# Altium PCB T4F81.PcbDoc (part 1 of 2) (continued)
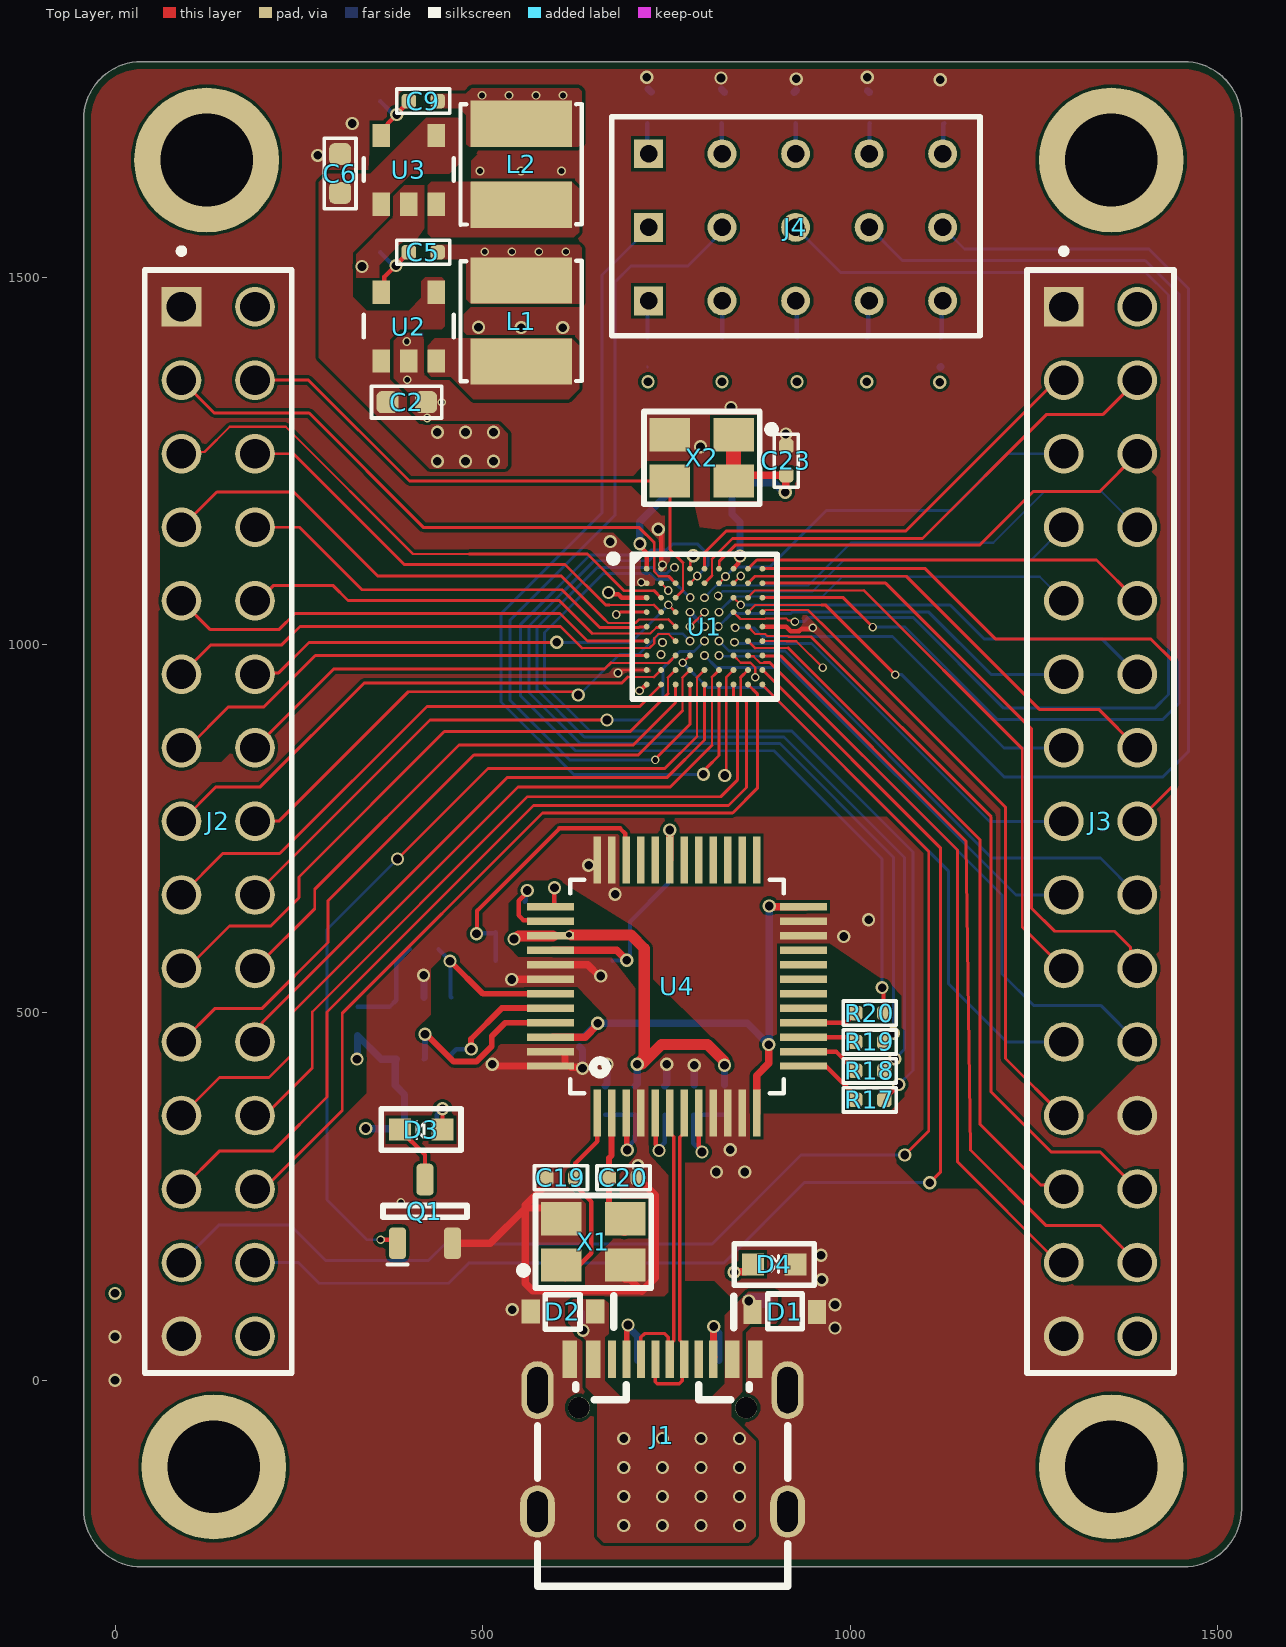
[diagram p0: Top Layer view]
## Footprints (in the part's own frame and the unit in brackets; to place one, negate y for a bottom-side part, rotate by r counter-clockwise, add the part's x,y. Pads: shape width x height; smd on the part's side, far side on the other; paste and mask are expansions set on the pad)
CAPC0402 [mm]
  rrect50% 0.5x0.5 smd: 1(-0.5,0) 2(0.5,0)
  silkscreen extent -0.92,-0.42 0.92,0.42, body extent -0.5,-0.25 0.5,0.25, height 0.42
CAPC0603 [mil]
  rrect50% 30x30 smd: 1(-26.26,0) 2(26.26,0)
  silkscreen extent -48,-22 48,22, body extent -31,-16 32,16, height 34
Crystal_3225 [mm] "3225 pack"
  rect 1.4x1.15 smd: 1(-1.1,-0.8) 2(1.1,-0.8) 3(1.1,0.8) 4(-1.1,0.8)
  silkscreen extent -2.54,-1.6 2,1.6, body extent -1.6,-1.23 1.6,1.27, height 0.6
"HEADER_5X3_2.54 - duplicate" [mm] "2.54mm Pitch"
  rect 1x1 hole 0.6: 1(-5.08,0) 6(-5.08,2.54) 11(-5.08,5.08)
  round 1 hole 0.6: 2(-2.54,0) 3(0,0) 4(2.54,0) 5(5.08,0) 7(-2.54,2.54) 8(0,2.54) 9(2.54,2.54) 10(5.08,2.54) 12(-2.54,5.08) 13(0,5.08) 14(2.54,5.08) 15(5.08,5.08)
  silkscreen extent -6.35,-1.21 6.37,6.36, body extent -6.35,-1.27 6.32,6.35, height 8
Header_15X2_2.54 [mm]
  rect 1.37x1.37 hole 1.02: 01(0,0)
  round 1.37 hole 1.02: 02(0,2.54) 03(2.54,0) 04(2.54,2.54) 05(5.08,0) 06(5.08,2.54) 07(7.62,0) 08(7.62,2.54) 09(10.16,0) 10(10.16,2.54) 11(12.7,0) 12(12.7,2.54) 13(15.24,0) 14(15.24,2.54) 15(17.78,0) 16(17.78,2.54) 17(20.32,0) 18(20.32,2.54) 19(22.86,0) 20(22.86,2.54) 21(25.4,0) 22(25.4,2.54) 23(27.94,0) 24(27.94,2.54) 25(30.48,0) 26(30.48,2.54) 27(33.02,0) 28(33.02,2.54) 29(35.56,0) 30(35.56,2.54)
  silkscreen extent -2.02,-1.27 36.83,3.81, body extent -1.27,-1.25 36.83,3.83, height 9.5
IND_4.0X4.0X2.0 [mm]
  rect 1.6x3.5 smd: 1(-1.4,0) 2(1.4,0)
  silkscreen extent -2.08,-2.1 2.08,2.1, body extent -2,-2 2,2, height 1.8
led_0603 [mil]
  rect 30x30 smd: A(-29.02,0) K(29.02,0)
  silkscreen extent -54,-28 54,28, body extent -32,-14 32,14, height 25
LQFP-48 [mil]
  rect 64x10 smd: 1(-172,108.27) 2(-172,88.58) 3(-172,68.9) 4(-172,49.21) 5(-172,29.53) 6(-172,9.84) 7(-172,-9.84) 8(-172,-29.53) 9(-172,-49.21) 10(-172,-68.9) 11(-172,-88.58) 12(-172,-108.27) 25(172,-108.27) 26(172,-88.58) 27(172,-68.9) 28(172,-49.21) 29(172,-29.53) 30(172,-9.84) 31(172,9.84) 32(172,29.53) 33(172,49.21) 34(172,68.9) 35(172,88.58) 36(172,108.27)
  rect 10x64 smd: 13(-108.27,-172) 14(-88.58,-172) 15(-68.9,-172) 16(-49.21,-172) 17(-29.53,-172) 18(-9.84,-172) 19(9.84,-172) 20(29.53,-172) 21(49.21,-172) 22(68.9,-172) 23(88.58,-172) 24(108.27,-172) 37(108.27,172) 38(88.58,172) 39(68.9,172) 40(49.21,172) 41(29.53,172) 42(9.84,172) 43(-9.84,172) 44(-29.53,172) 45(-49.21,172) 46(-68.9,172) 47(-88.58,172) 48(-108.27,172)
  silkscreen extent -145,-145 145,145, body extent -182,-182 182,182, height 60
resc0402 [mm]
  rrect50% 0.5x0.5 smd: 1(-0.5,0) 2(0.5,0)
  silkscreen extent -0.92,-0.42 0.91,0.42, body extent -0.5,-0.25 0.5,0.25, height 0.4
RESC0402 [mm]
  rrect50% 0.5x0.5 smd: 1(-0.5,0) 2(0.5,0)
  silkscreen extent -0.92,-0.42 0.91,0.42, body extent -0.5,-0.25 0.5,0.25, height 0.4
RESC0603 [mm]
  rrect50% 0.81x0.9 smd: 1(-0.695,0) 2(0.695,0)
  silkscreen extent -1.27,-0.62 1.27,0.62, body extent -0.8,-0.4 0.8,0.4, height 0.45
sod-323 [mm]
  rect 0.63x0.83 smd: 1(-1.115,0) 2(1.115,0)
  silkscreen extent -0.61,-0.61 1.75,0.58, body extent -1.25,-0.62 1.25,0.63, height 0.9
SOT23-3 [mm]
  rrect50% 0.6x1.1 smd: 1(-0.95,-1.125) 2(0.95,-1.125) 3(0,1.075)
  silkscreen extent -1.45,-1.86 1.45,0.17, body extent -1.5,-1.44 1.5,1.39, height 1.19
SOT23-5 [mm]
  rect 0.8x0.6 smd: 1(-1.25,1.026) 2(-1.25,0.076) 3(-1.25,-0.874) 4(1.123,-0.872) 5(1.123,1.028)
  silkscreen extent -0.44,-1.47 0.34,1.63, body extent -1.48,-1.42 1.37,1.58, height 1.3
SOT23-6 [mil]
  rect 46x20 smd paste+0 mask+0: 1(-42,37.4) 2(-42,0) 3(-42,-37.4) 4(42,-37.4) 5(42,0) 6(42,37.4)
  silkscreen extent -85,-65 40,65, body extent -59,-60 59,60, height 57
"T4F81 FPGA" [mm] "BGA, 81-Leads, Body 5.00x5.00mmx0.83mm, Pitch 0.50mm"
  round 0.2 smd: A1(-2,2) A2(-1.5,2) A3(-1,2) A4(-0.5,2) A5(0,2) A6(0.5,2) A7(1,2) A8(1.5,2) A9(2,2) B1(-2,1.5) B2(-1.5,1.5) B3(-1,1.5) B4(-0.5,1.5) B5(0,1.5) B6(0.5,1.5) B7(1,1.5) B8(1.5,1.5) B9(2,1.5) C1(-2,1) C2(-1.5,1) C3(-1,1) C4(-0.5,1) C5(0,1) C6(0.5,1) C7(1,1) C8(1.5,1) C9(2,1) D1(-2,0.5) D2(-1.5,0.5) D3(-1,0.5) D4(-0.5,0.5) D5(0,0.5) D6(0.5,0.5) D7(1,0.5) D8(1.5,0.5) D9(2,0.5) E1(-2,0) E2(-1.5,0) E3(-1,0) E4(-0.5,0) E5(0,0) E6(0.5,0) E7(1,0) E8(1.5,0) E9(2,0) F1(-2,-0.5) F2(-1.5,-0.5) F3(-1,-0.5) F4(-0.5,-0.5) F5(0,-0.5) F6(0.5,-0.5) F7(1,-0.5) F8(1.5,-0.5) F9(2,-0.5) G1(-2,-1) G2(-1.5,-1) G3(-1,-1) G4(-0.5,-1) G5(0,-1) G6(0.5,-1) G7(1,-1) G8(1.5,-1) G9(2,-1) H1(-2,-1.5) H2(-1.5,-1.5) H3(-1,-1.5) H4(-0.5,-1.5) H5(0,-1.5) H6(0.5,-1.5) H7(1,-1.5) H8(1.5,-1.5) H9(2,-1.5) J1(-2,-2) J2(-1.5,-2) J3(-1,-2) J4(-0.5,-2) J5(0,-2) J6(0.5,-2) J7(1,-2) J8(1.5,-2) J9(2,-2)
  silkscreen extent -3.27,-2.5 2.5,2.5, body extent -2.5,-2.5 2.5,2.5, height 0.83
TYPE-C [mm]
  rect 0.5x1.3 smd: A1(-3.2,2.633) A4(-2.4,2.633) A9(2.4,2.633) A12(3.2,2.633)
  rect 0.28x1.3 smd: A5(-1.25,2.633) A6(-0.25,2.633) A7(0.25,2.633) A8(1.25,2.634) B5(1.75,2.633) B6(0.75,2.633) B7(-0.75,2.633) B8(-1.75,2.634)
  oval 1.1x2 hole 0.7 slot 1.6 at 90 deg: S1(-4.32,1.566) S4(4.32,1.566)
  oval 1.2x1.8 hole 0.7 slot 1.4 at 90 deg: S2(-4.32,-2.634) S3(4.32,-2.634)
  round 0.75 hole 0.75 unplated: ""(-2.89,0.956) ""(2.89,0.956)
  silkscreen extent -4.32,-5.22 4.32,1.75, body extent -4.48,-5.21 4.47,2.69, height 3.16

## Part data
C1: "Ceramic Capacitor, 10uF, 0603,10V", Case/Package=0603
C2 C3 C4 C6 C7 C8 C21 C22 C24 C25: library part Cap, "CAP CER 22uF 10V X7R 0603", Case/Package=0603, Dielectric=X7R, Manufacturer Part Number=CC0603KRX7R6BB226, Voltage=10V, Type=Capacitor, Vicharak-PN=V001478
C5 C9 C19 C20: library part Capacitor, "Ceramic Capacitor, 22pF, 0402,50V", Case/Package=0402, Voltage=50V
C10 C11 C12 C13: library part Capacitor, "Ceramic Capacitor, 0.1uF, 0402,10V", Case/Package=0402, Voltage=10V
C14: library part Capacitor, "Ceramic Capacitor, 10nF, 0402,10V", Case/Package=0402, Voltage=10V
C15: library part Capacitor, "Ceramic Capacitor, 4.7uF, 0402,10V", Case/Package=0402, Voltage=10V
C16 C17 C18: library part Capacitor, "Ceramic Capacitor, 0.1UF, 0402,10V", Case/Package=0402, Voltage=10V
C23: library part Capacitor, "Ceramic Capacitor, 15pF, 0402,50V", Case/Package=0402, Voltage=50V
D1 D2: "Schottky Barrier£¬B5819WS SOD-323", Case/Package=SOD-323, Manufacturer Part Number=B5819WS, Vicharak-PN=V000203
D3: library part LED1, "GREEN LED, 0603", Case/Package=0603, Manufacturer Part Number=GREEN
D4: library part LED1, "RED LED 0603", Case/Package=0603, Manufacturer Part Number=GREEN
J1: Case/Package=SMD, Manufacturer Part Number=C167321, Type="TYPE -C  CONNECTOR"
J2 J3: "Connector Header position", Case/Package=TH, Manufacturer Part Number="Th P2.54MM"
J4: "HEADER 5X3 2.54MM"
L1 L2: "2.2uH, 48mOhm, 4.35A, 6.12A, ±20%, SMD,4x4x2mm, Power Inductor (MWPY4020L-2R2M-T) (C2934996)", Manufacturer Part Number=MWPY4020L-2R2M-T, Package=SMD,4x4mm, Type=INDUCTOR, Vicharak-PN=V001341
Q1: library part "MOSFET Si2302CDS", "N-Channel 20V 3A 1.25W (Ta) Surface Mount SOT-23", Case/Package=SOT-23, Manufacturer Part Number=SI2302-TP
R1 R2: "Thick Film Resistor -  4.7Kohm, 1%, 0603", Case/Package=0603
R3: "Thick Film Resistor -  9Kohm, 1%, 0402", Case/Package=0402, Tolerance=1%, Type=Resistor, Vicharak-PN=V000698
R4: "Thick Film Resistor -  2Kohm, 1%, 0402", Case/Package=0402, Tolerance=1%, Type=Resistor, Vicharak-PN=V000698
R5: "Thick Film Resistor -  1.2kohm, 1%, 0402", Case/Package=0402, Tolerance=1%, Type=Resistor, Vicharak-PN=V000360
R6: "Thick Film Resistor -  1Kohm, 1%, 0402", Case/Package=0402, Manufacturer Part Number=0402WGF1001TCE, Tolerance=1%, Type=Resistor, Vicharak-PN=V000698
R7 R17 R18 R19 R20: "Thick Film Resistor -  0ohm, 1%, 0402", Case/Package=0402, Manufacturer Part Number=RC0402FR-070RL, ComponentLink1Description=http://uk.rs-online.com/webdocs/0d98/0900766b80d98824.pdf?src-supplier=RSComponents, ComponentLink1URL=http://uk.rs-online.com/webdocs/0d98/0900766b80d98824.pdf?src-supplier=RSComponents, ComponentLink2Description=http://www.vishay.com/docs/20035/dcrcwe3.pdf?src-supplier=Digi-Key, ComponentLink2URL=http://www.vishay.com/docs/20035/dcrcwe3.pdf?src-supplier=Digi-Key, ComponentLink3Description=http://www.farnell.com/datasheets/2045673.pdf?src-supplier=Element14, ComponentLink3URL=http://www.farnell.com/datasheets/2045673.pdf?src-supplier=Element14, ComponentLink4Description=http://www.vishay.com/docs/20035/dcrcwe3.pdf?src-supplier=Avnet, ComponentLink4URL=http://www.vishay.com/docs/20035/dcrcwe3.pdf?src-supplier=Avnet, ComponentLink5Description=https://www.distrelec.biz/Web/Downloads/a_/en/flD-CRCW-e3_data_en.pdf?mime=application%2Fpdf&src-supplier=Distrelec, ComponentLink5URL=https://www.distrelec.biz/Web/Downloads/a_/en/flD-CRCW-e3_data_en.pdf?mime=application%2Fpdf&src-supplier=Distrelec, ComponentLink6Description=http://www.vishay.com/docs/20035/dcrcwe3.pdf?src-supplier=Mouser, ComponentLink6URL=http://www.vishay.com/docs/20035/dcrcwe3.pdf?src-supplier=Mouser, ComponentLink7Description=http://www.farnell.com/datasheets/2111203.pdf?src-supplier=Element14, ComponentLink7URL=http://www.farnell.com/datasheets/2111203.pdf?src-supplier=Element14, ComponentLink8Description=http://www.vishay.com/docs/20035/dcrcwe3.pdf?src-supplier=Future+Electronics, ComponentLink8URL=http://www.vishay.com/docs/20035/dcrcwe3.pdf?src-supplier=Future+Electronics, ComponentLink9Description=https://www.te.com/commerce/DocumentDelivery/DDEController?Action=srchrtrv&amp;DocNm=1773204-3&amp;DocType=DS&amp;DocLang=English&src-supplier=Digi-Key, ComponentLink9URL=https://www.te.com/commerce/DocumentDelivery/DDEController?Action=srchrtrv&amp;DocNm=1773204-3&amp;DocType=DS&amp;DocLang=English&src-supplier=Digi-Key, ComponentLink10Description=https://4donline.ihs.com/images/VipMasterIC/IC/TYEL/TYEL-S-A0004929575/TYEL-S-A0004929575-1.pdf?hkey=52A5661711E402568146F3353EA87419&src-supplier=Farnell, ComponentLink10URL=https://4donline.ihs.com/images/VipMasterIC/IC/TYEL/TYEL-S-A0004929575/TYEL-S-A0004929575-1.pdf?hkey=52A5661711E402568146F3353EA87419&src-supplier=Farnell, ComponentLink11Description=https://4donline.ihs.com/images/VipMasterIC/IC/TYEL/TYEL-S-A0004929575/TYEL-S-A0004929575-1.pdf?hkey=52A5661711E402568146F3353EA87419&src-supplier=Newark, ComponentLink11URL=https://4donline.ihs.com/images/VipMasterIC/IC/TYEL/TYEL-S-A0004929575/TYEL-S-A0004929575-1.pdf?hkey=52A5661711E402568146F3353EA87419&src-supplier=Newark
R8: "Thick Film Resistor -  0ohm, 1%, 0402", Case/Package=0402, ComponentLink1Description=http://uk.rs-online.com/webdocs/0d98/0900766b80d98824.pdf?src-supplier=RSComponents, ComponentLink1URL=http://uk.rs-online.com/webdocs/0d98/0900766b80d98824.pdf?src-supplier=RSComponents, ComponentLink2Description=http://www.vishay.com/docs/20035/dcrcwe3.pdf?src-supplier=Digi-Key, ComponentLink2URL=http://www.vishay.com/docs/20035/dcrcwe3.pdf?src-supplier=Digi-Key, ComponentLink3Description=http://www.farnell.com/datasheets/2045673.pdf?src-supplier=Element14, ComponentLink3URL=http://www.farnell.com/datasheets/2045673.pdf?src-supplier=Element14, ComponentLink4Description=http://www.vishay.com/docs/20035/dcrcwe3.pdf?src-supplier=Avnet, ComponentLink4URL=http://www.vishay.com/docs/20035/dcrcwe3.pdf?src-supplier=Avnet, ComponentLink5Description=https://www.distrelec.biz/Web/Downloads/a_/en/flD-CRCW-e3_data_en.pdf?mime=application%2Fpdf&src-supplier=Distrelec, ComponentLink5URL=https://www.distrelec.biz/Web/Downloads/a_/en/flD-CRCW-e3_data_en.pdf?mime=application%2Fpdf&src-supplier=Distrelec, ComponentLink6Description=http://www.vishay.com/docs/20035/dcrcwe3.pdf?src-supplier=Mouser, ComponentLink6URL=http://www.vishay.com/docs/20035/dcrcwe3.pdf?src-supplier=Mouser, ComponentLink7Description=http://www.farnell.com/datasheets/2111203.pdf?src-supplier=Element14, ComponentLink7URL=http://www.farnell.com/datasheets/2111203.pdf?src-supplier=Element14, ComponentLink8Description=http://www.vishay.com/docs/20035/dcrcwe3.pdf?src-supplier=Future+Electronics, ComponentLink8URL=http://www.vishay.com/docs/20035/dcrcwe3.pdf?src-supplier=Future+Electronics, ComponentLink9Description=https://www.te.com/commerce/DocumentDelivery/DDEController?Action=srchrtrv&amp;DocNm=1773204-3&amp;DocType=DS&amp;DocLang=English&src-supplier=Digi-Key, ComponentLink9URL=https://www.te.com/commerce/DocumentDelivery/DDEController?Action=srchrtrv&amp;DocNm=1773204-3&amp;DocType=DS&amp;DocLang=English&src-supplier=Digi-Key, ComponentLink10Description=https://4donline.ihs.com/images/VipMasterIC/IC/TYEL/TYEL-S-A0004929575/TYEL-S-A0004929575-1.pdf?hkey=52A5661711E402568146F3353EA87419&src-supplier=Farnell, ComponentLink10URL=https://4donline.ihs.com/images/VipMasterIC/IC/TYEL/TYEL-S-A0004929575/TYEL-S-A0004929575-1.pdf?hkey=52A5661711E402568146F3353EA87419&src-supplier=Farnell, ComponentLink11Description=https://4donline.ihs.com/images/VipMasterIC/IC/TYEL/TYEL-S-A0004929575/TYEL-S-A0004929575-1.pdf?hkey=52A5661711E402568146F3353EA87419&src-supplier=Newark, ComponentLink11URL=https://4donline.ihs.com/images/VipMasterIC/IC/TYEL/TYEL-S-A0004929575/TYEL-S-A0004929575-1.pdf?hkey=52A5661711E402568146F3353EA87419&src-supplier=Newark
R9 R13: "Thick Film Resistor -  10Kohm, 1%, 0402", Case/Package=0402
  R9: ComponentLink1Description=http://uk.rs-online.com/webdocs/0d98/0900766b80d98824.pdf?src-supplier=RSComponents, ComponentLink1URL=http://uk.rs-online.com/webdocs/0d98/0900766b80d98824.pdf?src-supplier=RSComponents, ComponentLink2Description=http://www.vishay.com/docs/20035/dcrcwe3.pdf?src-supplier=Digi-Key, ComponentLink2URL=http://www.vishay.com/docs/20035/dcrcwe3.pdf?src-supplier=Digi-Key, ComponentLink3Description=http://www.farnell.com/datasheets/2045673.pdf?src-supplier=Element14, ComponentLink3URL=http://www.farnell.com/datasheets/2045673.pdf?src-supplier=Element14, ComponentLink4Description=http://www.vishay.com/docs/20035/dcrcwe3.pdf?src-supplier=Avnet, ComponentLink4URL=http://www.vishay.com/docs/20035/dcrcwe3.pdf?src-supplier=Avnet, ComponentLink5Description=https://www.distrelec.biz/Web/Downloads/a_/en/flD-CRCW-e3_data_en.pdf?mime=application%2Fpdf&src-supplier=Distrelec, ComponentLink5URL=https://www.distrelec.biz/Web/Downloads/a_/en/flD-CRCW-e3_data_en.pdf?mime=application%2Fpdf&src-supplier=Distrelec, ComponentLink6Description=http://www.vishay.com/docs/20035/dcrcwe3.pdf?src-supplier=Mouser, ComponentLink6URL=http://www.vishay.com/docs/20035/dcrcwe3.pdf?src-supplier=Mouser, ComponentLink7Description=http://www.farnell.com/datasheets/2111203.pdf?src-supplier=Element14, ComponentLink7URL=http://www.farnell.com/datasheets/2111203.pdf?src-supplier=Element14, ComponentLink8Description=http://www.vishay.com/docs/20035/dcrcwe3.pdf?src-supplier=Future+Electronics, ComponentLink8URL=http://www.vishay.com/docs/20035/dcrcwe3.pdf?src-supplier=Future+Electronics, ComponentLink9Description=https://www.te.com/commerce/DocumentDelivery/DDEController?Action=srchrtrv&amp;DocNm=1773204-3&amp;DocType=DS&amp;DocLang=English&src-supplier=Digi-Key, ComponentLink9URL=https://www.te.com/commerce/DocumentDelivery/DDEController?Action=srchrtrv&amp;DocNm=1773204-3&amp;DocType=DS&amp;DocLang=English&src-supplier=Digi-Key, ComponentLink10Description=https://4donline.ihs.com/images/VipMasterIC/IC/TYEL/TYEL-S-A0004929575/TYEL-S-A0004929575-1.pdf?hkey=52A5661711E402568146F3353EA87419&src-supplier=Farnell, ComponentLink10URL=https://4donline.ihs.com/images/VipMasterIC/IC/TYEL/TYEL-S-A0004929575/TYEL-S-A0004929575-1.pdf?hkey=52A5661711E402568146F3353EA87419&src-supplier=Farnell, ComponentLink11Description=https://4donline.ihs.com/images/VipMasterIC/IC/TYEL/TYEL-S-A0004929575/TYEL-S-A0004929575-1.pdf?hkey=52A5661711E402568146F3353EA87419&src-supplier=Newark, ComponentLink11URL=https://4donline.ihs.com/images/VipMasterIC/IC/TYEL/TYEL-S-A0004929575/TYEL-S-A0004929575-1.pdf?hkey=52A5661711E402568146F3353EA87419&src-supplier=Newark
R10: "Thick Film Resistor -  12Kohm, 1%, 0402", Case/Package=0402, ComponentLink1Description=http://uk.rs-online.com/webdocs/0d98/0900766b80d98824.pdf?src-supplier=RSComponents, ComponentLink1URL=http://uk.rs-online.com/webdocs/0d98/0900766b80d98824.pdf?src-supplier=RSComponents, ComponentLink2Description=http://www.vishay.com/docs/20035/dcrcwe3.pdf?src-supplier=Digi-Key, ComponentLink2URL=http://www.vishay.com/docs/20035/dcrcwe3.pdf?src-supplier=Digi-Key, ComponentLink3Description=http://www.farnell.com/datasheets/2045673.pdf?src-supplier=Element14, ComponentLink3URL=http://www.farnell.com/datasheets/2045673.pdf?src-supplier=Element14, ComponentLink4Description=http://www.vishay.com/docs/20035/dcrcwe3.pdf?src-supplier=Avnet, ComponentLink4URL=http://www.vishay.com/docs/20035/dcrcwe3.pdf?src-supplier=Avnet, ComponentLink5Description=https://www.distrelec.biz/Web/Downloads/a_/en/flD-CRCW-e3_data_en.pdf?mime=application%2Fpdf&src-supplier=Distrelec, ComponentLink5URL=https://www.distrelec.biz/Web/Downloads/a_/en/flD-CRCW-e3_data_en.pdf?mime=application%2Fpdf&src-supplier=Distrelec, ComponentLink6Description=http://www.vishay.com/docs/20035/dcrcwe3.pdf?src-supplier=Mouser, ComponentLink6URL=http://www.vishay.com/docs/20035/dcrcwe3.pdf?src-supplier=Mouser, ComponentLink7Description=http://www.farnell.com/datasheets/2111203.pdf?src-supplier=Element14, ComponentLink7URL=http://www.farnell.com/datasheets/2111203.pdf?src-supplier=Element14, ComponentLink8Description=http://www.vishay.com/docs/20035/dcrcwe3.pdf?src-supplier=Future+Electronics, ComponentLink8URL=http://www.vishay.com/docs/20035/dcrcwe3.pdf?src-supplier=Future+Electronics, ComponentLink9Description=https://www.te.com/commerce/DocumentDelivery/DDEController?Action=srchrtrv&amp;DocNm=1773204-3&amp;DocType=DS&amp;DocLang=English&src-supplier=Digi-Key, ComponentLink9URL=https://www.te.com/commerce/DocumentDelivery/DDEController?Action=srchrtrv&amp;DocNm=1773204-3&amp;DocType=DS&amp;DocLang=English&src-supplier=Digi-Key, ComponentLink10Description=https://4donline.ihs.com/images/VipMasterIC/IC/TYEL/TYEL-S-A0004929575/TYEL-S-A0004929575-1.pdf?hkey=52A5661711E402568146F3353EA87419&src-supplier=Farnell, ComponentLink10URL=https://4donline.ihs.com/images/VipMasterIC/IC/TYEL/TYEL-S-A0004929575/TYEL-S-A0004929575-1.pdf?hkey=52A5661711E402568146F3353EA87419&src-supplier=Farnell, ComponentLink11Description=https://4donline.ihs.com/images/VipMasterIC/IC/TYEL/TYEL-S-A0004929575/TYEL-S-A0004929575-1.pdf?hkey=52A5661711E402568146F3353EA87419&src-supplier=Newark, ComponentLink11URL=https://4donline.ihs.com/images/VipMasterIC/IC/TYEL/TYEL-S-A0004929575/TYEL-S-A0004929575-1.pdf?hkey=52A5661711E402568146F3353EA87419&src-supplier=Newark
R11: "Thick Film Resistor -  39Kohm, 1%, 0402", Case/Package=0402
R12 R14: "Thick Film Resistor -  2Kohm, 1%, 0402", Case/Package=0402
R15: library part Res, "Thick Film Resistor -  240ohm, 1%, 0402", Case/Package=0402
R16: library part Res, "Thick Film Resistor -  1Kohm, 1%, 0402", Case/Package=0402
R21 R22 R23 R24 R25 R26 R27 R28 R29 R30: "Thick Film Resistor -  1Kohm, 1%, 0402", Case/Package=0402
U2: "Buck Switching Regulator IC Positive Adjustable 0.6V 1 Output 2A SOT-23-5 Thin, TSOT-23-5", Manufacturer Part Number=AP3429AKTTR-G1, Package=SOT-23-5, Type=IC, Vicharak-PN=V001301
U3: "Buck Switching Regulator IC Positive Adjustable 0.6V 1 Output 2A SOT-23-5 Thin, TSOT-23-5", Package=SOT-23-5, Type=IC, Vicharak-PN=V001301
U4: library part FT232HL, "FT232HL, 1.62V~1.98V,  2.97V~3.63V, 24mA, 48Pin, 48-LQFP, USB Bridge, USB to UART, FIFO, Controller", Case/Package=LQFP-48_7x7x05P, Manufacturer Part Number=FT232HL-REEL, Type=IC, Vicharak-PN=V001843
U5: "MICROCHIP - 93LC56BT-I/OT. - 2K, 128 X 16, SERIAL EE, IND ROHS COMPLIANT: YES", Case/Package=SOT-23-6, ComponentLink1Description=https://datasheet.ciiva.com/48496/jp013939-48496476.pdf?src-supplier=Avnet, ComponentLink1URL=https://datasheet.ciiva.com/48496/jp013939-48496476.pdf?src-supplier=Avnet, ComponentLink2Description=https://datasheet.ciiva.com/16216/filehandler-aspxddocname-en013939-16216574.pdf?src-supplier=Future+Electronics, ComponentLink2URL=https://datasheet.ciiva.com/16216/filehandler-aspxddocname-en013939-16216574.pdf?src-supplier=Future+Electronics, ComponentLink3Description=https://datasheet.ciiva.com/3185/jp013939-3185519.pdf?src-supplier=Avnet, ComponentLink3URL=https://datasheet.ciiva.com/3185/jp013939-3185519.pdf?src-supplier=Avnet, ComponentLink4Description=https://datasheet.ciiva.com/16622/jp013939-16622127.pdf?src-supplier=Avnet+Europe, ComponentLink4URL=https://datasheet.ciiva.com/16622/jp013939-16622127.pdf?src-supplier=Avnet+Europe, Manufacturer Part Number=93LC56BT-I/OT, Type=EEPROM, Vicharak-PN=V001522
X1: library part CRYSTAL_1_1, "CRYSTAL 12.0000MHZ 10PF SMD", Case/Package=SMD-3225, Frequency=12MHz, Manufacturer Part Number=ECS-120-10-33B-CKM-TR
X2: "1.8V~3.3V -40℃~+85℃ ±10ppm 50MHz SMD3225-4P Oscillators ROHS (OT322550MJBA4SL) (C717684)", Case/Package=SMD3225, Frequency=50MHz, Manufacturer Part Number=OT322550MJBA4SL, Vicharak-PN=V000176
U1: Manufacturer_Part_Number=T4F81

## Free pads (board coordinates)
  round 196.85 hole 125.98: 2(124.52,1659.49) 2(134.36,-117.89) 2(1354.83,-117.89) 2(1354.83,1659.49)

## Via types
v1: diameter 17.99, hole 11.81, Top Layer to Bottom Layer, tented both sides, 57 vias
v2: diameter 17.99, hole 11.81, Top Layer to Bottom Layer, 54 vias
v3: diameter 11.81, hole 7.87, Top Layer to Bottom Layer, tented both sides, 38 vias
v4: diameter 11.81, hole 7.87, Top Layer to Bottom Layer, 18 vias

## Nets (pads, with @x,y where several pads share a name; then routed paths per layer and width w, separated by ;. In a path a pad name is that pad's centre, name@x,y a point inside that pad or via, vN(x,y) a via of type N, cw(c..) or ccw(c..) an arc to the next point about the centre after c; other vN are vias at no path point)
1V1: C7.2 C8.2 C9.2 C21.2 C24.2 L2.2 R5.1 U1.A1 U1.C1 U1.D4 U1.E5 U1.F2 U1.F9 | length 324.8
  Top Layer w3: U1.F2@742.64,1005.26 v3(744.61,1003.29) ; U1.F9@880.44,1005.26 913.22,1005.26 913.45,1005.03 926.5,1005.03 v3(962.34,969.2)
  Top Layer w6: v1(671.2,1071.44) 673.5,1069.15 684.21,1069.15 689.04,1064.32 U1.C1@722.96,1064.32 ; v1(713.78,1137.5) 713.78,1134.25 722.96,1125.08 U1.A1@722.96,1103.69
  Bottom Layer w6: v3(782.01,1044.63) v3(801.7,1024.95)
  Bottom Layer w10: v1(713.78,1137.5) 713.78,1167.49 C24.2@766.83,1220.54
  other v4: 498.97,1747.43 535.72,1747.43 572.46,1747.43 609.21,1747.43
3V3: C3.2 C4.2 C5.2 C22.2 C23.2 C25.2 J2.02 J2.30 J3.02 J3.30 L1.2 R3.1 R13.1 R15.2 R21.2 R22.2 R23.2 R24.2 R25.2 U1.A7 U1.B2 U1.H7 U1.J1 U5.6 X2.1 X2.4 | length 791.9
  Top Layer w3: U1.B2@742.64,1083.96 v3@752.47,1074.13
  Top Layer w3.8: v1(829.06,822.57) 831.22,824.73 831.22,950.28 831.12,950.38 831.12,955.94 U1.H7@840.98,965.81
  Top Layer w6: v3(713.2,937.58) 713.82,937.58 722.45,946.21 U1.J1@722.96,946.21 ; U1.A7@841.07,1103.69 841.07,1104.19 847.68,1110.8 847.68,1118.66 v1(849.97,1120.96)
  Top Layer w10: X2.4@841.22,1222.94 849.22,1230.93 C23.2@912.92,1230.93 912.23,1230.24 912.23,1208.27 v1(911.53,1207.58)
  Top Layer w20: X2.4@841.22,1222.94 X2.1@841.22,1285.93
  Bottom Layer w10: v1@329.7,436.42 329.7,468.78 362.03,436.48 U5.6@382.31,436.48 380.86,435.03 380.86,400.97 393.72,388.11 R15.2@393.72,342.28 393.54,342.1 v1@341.67,342.1 ; v1(849.97,1120.96) 849.97,1166.82 839.02,1177.77 C25.2@839.02,1220.54 896.41,1220.54 909.37,1207.58 v1(911.53,1207.58) ; R25.2@1122.23,1377.71 R25.2@1122.79,1378.27
  other v1: 341.05,342.43 329.06,436.74 1121.66,1357.26 724.73,1357.82 825.52,1357.82 927.52,1357.82 1022.22,1357.82
  other v3: 752.47,1074.09
  other v4: 502.91,1534.83 539.65,1534.83 576.4,1534.83 613.15,1534.83
CDONE: Q1.1 R16.1 U1.H5 | length 1222
  Top Layer w3: 791.45,875.65 791.45,955.64
  Top Layer w4: v1(384.15,708.85) 507.11,831.81 747.61,831.81 791.45,875.65 ; 791.45,955.64 U1.H5@801.7,965.89
  Top Layer w6: v4(361.15,191.09) 379.3,191.09 Q1.1@384.12,186.27
  Bottom Layer w4: v1(384.15,708.85) 288.29,613 288.29,245.51 342.72,191.09 v4(361.15,191.09) 361.66,190.58 387.94,190.58 R16.1@388.45,190.07
CRESET_N: J2.22 U1.J5 | length 866.7
  Top Layer w4: J2.22@190.31,460.03 199.87,469.58 199.87,486.26 533.05,819.44 750.41,819.44 801.7,870.73 U1.J5@801.7,946.21
GND: C1.2 C2.1 C3.1 C4.1 C6.1 C7.1 C8.1 C10.1 C11.1 C12.1 C13.1 C15.1 C16.1 C17.1 C18.1 C19.1 C20.1 C21.1 C22.1 C23.1 C24.1 C25.1 D1.1 D2.1 D4.K J1.A1 J1.A12 J1.S1 J1.S2 J1.S3 J1.S4 J2.01 J2.29 J3.01 J3.24 J3.29 Q1.2 R1.1 R2.1 R4.2 R6.2 R10.1 R16.2 R26.2 R27.2 R28.2 R29.2 R30.2 U1.A2 U1.B1 U1.B7 U1.D1 U1.D5 U1.E4 U1.E9 U1.G2 U1.G7 U1.H1 U2.2 U3.2 U4.4 U4.9 U4.10 U4.11 U4.22 U4.23 U4.35 U4.36 U4.41 U4.42 U4.47 U4.48 U5.2 X1.2 X1.4 X2.2 | length 1439.7
  Top Layer w3: v3@684.05,961.93 686.14,961.93 690.21,966 U1.H1@722.85,966 ; v3(782.01,1024.95) v3(801.7,1044.63) ; U1.G7@841.09,985.58 850.95,975.72 864.27,975.72 870.59,969.4 v3(870.59,956.16) ; U1.B7@841.07,1084 v3(850.91,1093.84)
  Top Layer w4: v3(681.73,1041.34) 683.85,1041.34 687.14,1044.63 U1.D1@722.96,1044.63
  Top Layer w6: v1@739.22,1156.97 739.22,1154.58 742.64,1151.16 U1.A2@742.64,1103.69 ; U1.E9@880.44,1024.95 880.55,1024.83 912.74,1024.83 919.04,1018.53 930.31,1018.53 934.05,1022.27 947.62,1022.27 v3(948.73,1023.38)
  Top Layer w10: Q1.2@458.92,186.27 510.32,186.27 557.68,233.64 ; v2(512.9,429.77) 515.06,429.77 517.56,427.27 U4.48@592.28,427.27 ; v2(539.44,545.02) 539.8,545.38 U4.42@592.28,545.38 U4.42@595.49,545.38 ; C19.1@586.76,275.36 581.92,270.52 581.92,261.99 557.68,237.76 557.68,234.24 ; U4.47@592.28,446.96 611.96,446.96 611.96,427.27 619.28,427.27 620.51,426.04 620.51,425.73 634.11,425.73 v2(635.64,424.2) ; U4.41@595.49,565.07 642.98,565.07 658.26,549.78 v2(660.42,549.78) ; X1.4@607.07,219.73 592.57,234.24 558.29,234.24 ; X1.2@693.69,137.06 700.62,137.06 715.95,121.73 ; C20.1@711.13,275.36 734.72,251.77 734.72,139.46 716.47,121.2 715.95,121.73 ; 557.68,233.64 557.68,234.24 ; 557.68,233.64 557.68,132.1 568.06,121.73 715.95,121.73 ; 557.68,233.64 558.29,234.24 ; 557.68,234.24 558.29,234.24
  Bottom Layer w3: U5.2@419.71,520.48 U5.2@420.23,521
  Bottom Layer w10: U5.2@420.23,521 v1@420.23,550.58 ; 631.57,453.51 635.64,449.43 v2(635.64,424.2) ; C11.1@666.43,400.22 669.1,402.9 v2(669.1,429.69) ; v1@723.81,1774.26 v1@725.34,1772.73 ; R26.2@725.34,1756.11 R26.2@729.36,1752.09 ; R10.1@747.49,400.22 750.17,402.9 v2(750.17,429.69) ; C10.1@787.76,401.56 v2(787.76,428.35) ; v1@824.78,1773.29 v1@824.82,1773.25 ; R27.2@824.82,1755.51 R27.2@828.8,1751.53 ; R28.2@923.5,1751.53 R28.2@926.51,1754.54 ; v1@926.51,1771.34 v1@927.29,1772.12 ; R29.2@1023.23,1753.8 R29.2@1025.5,1751.53 ; v1@1023.23,1773.94 v1@1023.71,1774.42
  other v1: 419.61,550.91 991.16,603.58 1024.86,626.28 644.02,700.52 673.46,1140.51 738.6,1157.3 796.1,1269.48 912.3,1287 837.73,1322.87 494.33,1432.06 552.36,1431.59 608.82,1431.59 335.86,1514.68 275.67,1665.79 322.64,1709.27 1122.39,1768.75 926.53,1769.85 824.03,1771.02 723.06,1771.98 1022.95,1772.14
  other v2: 0,0 0,59.06 979.15,71.02 540.16,96.07 979.15,102.52 0,118.11 961.21,136.51 960.11,170.05 817.81,283.12 856.24,283.12 711.02,291.82 836.55,313.36 680.07,660.82
  other v3: 684.05,961.77 742.55,986.96 715.64,1085.14 744.61,1108.97
  other v4: 388.74,241.65 424.39,1308.56 444.4,1330.1 397.41,1360.7 396.61,1412.78 496.39,1644.54 552.18,1644.54 607.22,1644.54
GPIOL_00: J3.22 U1.G5 | length 869.2
  Bottom Layer w4: v3(801.7,985.58) 818.21,969.07 897.35,969.07 1206.39,660.03 1206.39,552.62 1249.11,509.91 1340.43,509.91 J3.22@1390.31,460.03
GPIOL_01_SS__N: J4.2 R21.1 | length 50.6
  Bottom Layer w6: J4.2@825.58,1468 825.84,1467.74 825.84,1417.91 R21.1@826.1,1417.65
GPIOL_01_SS_N: J4.7 U1.J4 | length 1161.7
  Top Layer w4: v3(734.77,843.72) 734.77,844.91 782.01,892.15 U1.J4@782.01,946.21
  Bottom Layer w4: v3(734.77,843.72) 734.33,843.28 618.81,843.28 536.86,925.23 536.86,1033.25 680.2,1176.59 680.2,1494.03 701.62,1515.44 778.93,1515.44 825.58,1562.09 J4.7@825.58,1568
GPIOL_02_CCK: J2.21 U1.H4 | length 960.9
  Top Layer w3: 771.76,910.5 771.76,955.64
  Top Layer w4: J2.21@90.31,460.03 135.59,505.31 199.65,505.31 289.66,595.32 289.66,652.06 487.95,850.35 711.62,850.35 771.76,910.5 ; 771.76,955.64 U1.H4@782.01,965.89
GPIOL_03_CDI4: J3.21 U1.G4 | length 835.3
  Top Layer w3: v3@772.23,975.76 U1.G4@782.01,985.58
  Bottom Layer w4: v3(772.16,975.66) 805.55,942.27 883.61,942.27 1133.76,692.12 1133.76,539.06 1212.79,460.03 J3.21@1290.31,460.03
GPIOL_04_CDI0: J2.16 U1.F4 | length 705.3
  Top Layer w3.5: 398.71,936.28 621.69,936.28 626.7,931.27 v1@630.64,931.27
  Top Layer w4: J2.16@190.31,760.03 191.13,760.85 223.28,760.85 398.71,936.28
  Bottom Layer w3.5: v1@630.64,931.54 686.2,987.1 711.93,987.1 739.78,1014.95 772.32,1014.95 v3(782.01,1005.26)
  other v1: 630.02,931.87
GPIOL_05_CDI5: J2.20 U1.J3 | length 761.9
  Top Layer w4: J2.20@190.31,560.03 191.49,561.21 271.61,641.33 271.61,667.64 467.86,863.89 704.71,863.89 762.33,921.51 U1.J3@762.33,946.21
GPIOL_06_CDI1: J2.19 U1.H3 | length 869.6
  Top Layer w3: 752.08,933.61 752.08,955.64
  Top Layer w4: J2.19@90.31,560.03 97.71,560.03 155.49,617.81 211.76,617.81 250.17,656.23 250.17,684.49 447.84,882.17 700.64,882.17 752.08,933.61 ; 752.08,955.64 U1.H3@762.33,965.89
GPIOL_07_CDI6: J2.14 U1.G3 | length 624.3
  Top Layer w3: 674.28,975.56 752.3,975.56
  Top Layer w4: J2.14@190.31,860.03 297.39,967.11 665.83,967.11 674.46,975.75 ; 752.3,975.56 U1.G3@762.33,985.58
GPIOL_09_CDI2: J2.17 U1.J2 | length 771.4
  Top Layer w4: J2.17@90.31,660.03 146.49,716.21 223.87,716.21 424.12,916.46 713.74,916.46 742.64,945.37 U1.J2@742.64,946.21
GPIOL_10_CDI7: J2.15 U1.H2 | length 737.6
  Top Layer w3: 697.24,956.35 733.1,956.35
  Top Layer w4: J2.15@90.31,760.03 137.29,807.01 197.46,807.01 338.47,948.03 688.92,948.03 697.24,956.35 ; 733.1,956.35 U1.H2@742.64,965.89
GPIOL_11_CDI3: J2.11 U1.F3 | length 726.9
  Top Layer w3: 635.13,995.76 726.89,995.76 733.2,1002.08 733.2,1009.17 738.73,1014.7 752.89,1014.7 U1.F3@762.33,1005.26
  Top Layer w4: J2.11@90.31,960.03 130.49,1000.21 226.73,1000.21 251.5,1024.99 605.9,1024.99 635.13,995.76
GPIOL_12_CTRL0: J2.13 U1.G1 | length 684.6
  Top Layer w4: J2.13@90.31,860.03 98.57,860.03 154.36,915.81 202.65,915.81 272.42,985.58 U1.G1@722.96,985.58
GPIOL_13_CTRL1: J2.09 U1.F1 | length 673.5
  Top Layer w4: J2.09@90.31,1060.03 129.56,1020.78 222.71,1020.78 244.63,1042.71 605.06,1042.71 642.51,1005.26 U1.F1@722.96,1005.26
GPIOL_14_CLK0: J2.10 U1.E2 | length 592.2
  Top Layer w3: 648.93,1015.51 728.02,1015.51 736.52,1024.01
  Top Layer w4: J2.10@190.31,1060.03 194.72,1060.03 215.83,1081.13 296.05,1081.13 316.86,1060.33 604.11,1060.33 648.93,1015.51 ; 736.52,1024.01 738.97,1024.01 739.16,1024.21 741.9,1024.21 U1.E2@742.64,1024.95
GPIOL_15_CLK1: J2.08 U1.E1 | length 589.9
  Top Layer w4: J2.08@190.31,1160.03 250.94,1160.03 335.92,1075.05 608.01,1075.05 659.63,1023.43 711.99,1023.43 713.02,1024.46 722.47,1024.46 U1.E1@722.96,1024.95
GPIOL_16_CLK2: J2.05 U1.C2 | length 763.7
  Top Layer w3: J2.05@90.31,1260.03 92.82,1262.53 121.78,1262.53 155.86,1296.61 232.3,1296.61 405.28,1123.64 481.73,1123.64 ; 692.35,1073.73 720.36,1073.73 ; 720.38,1073.75 733.2,1073.75
  Top Layer w4: 481.73,1123.64 642.45,1123.64 692.33,1073.75 ; 733.2,1073.75 U1.C2@742.64,1064.32
GPIOL_17_CLK3: J2.06 U1.D2 | length 641.6
  Top Layer w3: 672.2,1054.52 672.57,1054.15 733.12,1054.15
  Top Layer w4: J2.06@190.31,1260.03 242.74,1260.03 393.19,1109.58 611.85,1109.58 666.92,1054.52 672.2,1054.52 ; 733.12,1054.15 U1.D2@742.64,1044.63
GPIOL_18_CTRL2: J2.07 U1.E3 | length 771.6
  Top Layer w3: 666.33,1034.38 670.78,1029.93 707.88,1029.93 712.45,1034.5 752.77,1034.5
  Top Layer w4: J2.07@90.31,1160.03 138.39,1208.11 243.06,1208.11 357.28,1093.89 606.83,1093.89 666.33,1034.38 ; 752.77,1034.5 U1.E3@762.33,1024.95
GPIOL_19_CTRL3: J2.12 U1.D3 | length 615.2
  Top Layer w3.5: J2.12@190.31,960.03 J2.12@192.42,962.14 ; v3(752.56,1054.46) U1.D3@762.33,1044.63
  Top Layer w4: J2.12@192.42,962.14 222.53,962.14 263.73,1003.34 v1@601.33,1003.34
  Bottom Layer w3.5: v1@601.33,1003.34 701.43,1003.34 v3(752.56,1054.46)
  other v1: 600.71,1003.67
GPIOL_20_PLLIN: J2.04 U1.C3 X2.3 | length 791.2
  Top Layer w3: 772.31,1074.3 772.31,1111.88
  Top Layer w4: J2.04@190.31,1360.03 263.2,1360.03 400.29,1222.94 X2.3@754.61,1222.94 754.59,1129.6 772.31,1111.88 ; U1.C3@762.33,1064.32 772.31,1074.3
GPIOL_21_NSTATUS: J2.03 U1.B3 | length 809.5
  Top Layer w3: 733.2,1138.49 733.2,1099.78 739.54,1093.44 752.89,1093.44
  Top Layer w4: J2.03@90.31,1360.03 134.93,1315.41 263.96,1315.41 419.84,1159.53 712.96,1159.53 733.2,1139.28 733.2,1138.49 ; 752.89,1093.44 U1.B3@762.33,1084
GPIOR_00: J3.03 U1.A5 | length 607.5
  Top Layer w4: U1.A5@801.7,1103.69 801.7,1125.41 830.99,1154.7 1075.05,1154.7 1280.37,1360.03 J3.03@1290.31,1360.03
GPIOR_01: J3.04 U1.B5 | length 716.3
  Top Layer w3: 811.94,1094.25 811.94,1117.01
  Top Layer w4: U1.B5@801.7,1084 811.94,1094.25 ; 811.94,1117.01 839.7,1144.77 1098.22,1144.77 1267.06,1313.61 1343.89,1313.61 J3.04@1390.31,1360.03
GPIOR_02_RESERVED_OUT: J3.08 U1.C5 | length 668.5
  Bottom Layer w3: v3(801.7,1064.32) 801.7,1064.66 817.82,1080.78 942.57,1080.78 1000.8,1139.01 1194.44,1139.01 1263.84,1208.41 1341.93,1208.41 J3.08@1390.31,1160.03
GPIOR_03: J3.06 U1.A6 | length 639.5
  Top Layer w4: U1.A6@821.38,1103.69 821.69,1104 821.69,1113.89 844.03,1136.22 1176.17,1136.22 1248.36,1208.41 1338.69,1208.41 J3.06@1390.31,1260.03
GPIOR_05: J3.05 U1.B6 | length 541.9
  Top Layer w3: U1.B6@821.38,1084 821.38,1084.09 830.31,1093.02 v3(830.31,1093.11)
  Bottom Layer w4: v3(830.31,1093.11) 843.16,1105.96 890.29,1105.96 967.32,1183 1136.44,1183 1213.47,1260.03 J3.05@1290.31,1260.03
GPIOR_06: J3.07 U1.C6 | length 508.6
  Bottom Layer w3: v3(820.2,1067.03) 820.36,1067.03 826.37,1073.04 948.67,1073.04 991.61,1115.98 1246.26,1115.98 J3.07@1290.31,1160.03
GPIOR_07: J3.12 U1.C7 | length 592.4
  Top Layer w3: U1.C7@841.07,1064.32 v3(850.91,1054.47)
  Bottom Layer w4: v3(850.91,1054.47) 1135.83,1054.47 1181.93,1008.37 1341.97,1008.37 J3.12@1390.31,960.03
GPIOR_08: J3.10 U1.A8 | length 557.6
  Top Layer w4: U1.A8@860.75,1103.69 872.75,1115.69 1334.65,1115.69 J3.10@1390.31,1060.03
GPIOR_10: J3.16 U1.A9 | length 849.1
  Top Layer w4: U1.A9@880.44,1103.69 1101.88,1103.69 1197.19,1008.37 1341.97,1008.37 1408.3,1008.37 1439.68,976.99 1439.68,809.39 J3.16@1390.31,760.03
GPIOR_11: J3.14 U1.B8 | length 630.1
  Top Layer w3: 870.19,1093.44 1076,1093.44
  Top Layer w4: U1.B8@860.75,1084 870.19,1093.44 ; 1076,1093.44 1257.03,912.41 1337.93,912.41 J3.14@1390.31,860.03
GPIOR_12: J3.19 U1.C8 | length 788.8
  Top Layer w3: U1.C8@860.75,1064.32 860.75,1064.75 870.16,1074.16 1018.48,1074.16
  Top Layer w4: 1018.48,1074.16 1233.83,858.82 1233.83,616.51 J3.19@1290.31,560.03
GPIOR_13: J3.09 U1.D6 | length 502.9
  Bottom Layer w3: 841.98,1066.04 962.32,1066.04 989.09,1092.81 1257.53,1092.81 J3.09@1290.31,1060.03
  Bottom Layer w4: v3(821.38,1044.63) 821.38,1045.44 841.98,1066.04
GPIOR_14: J3.20 U1.B9 | length 881
  Top Layer w4: U1.B9@880.44,1084 1048.1,1084 1246.11,886 1246.11,642.36 1277.86,610.61 1359.22,610.61 1380.76,589.08 1380.76,569.58 J3.20@1390.31,560.03
GPIOR_15_CBUS0: J4.9 U1.C9 | length 1659.3
  Top Layer w4: U1.C9@880.44,1064.32 990.39,1064.32 v3(1030.45,1024.25)
  Bottom Layer w4: J4.9@1025.58,1568 1070.56,1523.02 1400.92,1523.02 1446.68,1477.26 1446.68,920.47 1424.93,898.71 1199.75,898.71 1074.21,1024.25 v3(1030.45,1024.25)
GPIOR_15_CBUS_0: J4.4 R24.1 | length 51.5
  Bottom Layer w6: R24.1@1022.8,1417.65 1024.19,1419.04 1024.19,1466.61 J4.4@1025.58,1468
GPIOR_16_CTRL7_CBUS1: J4.8 U1.D7 | length 1747.5
  Top Layer w3: U1.D7@841.07,1044.63 850.5,1035.2 884.35,1035.2 885.27,1036.12 912.66,1036.12 915.47,1033.31 922.88,1033.31 v3(924.57,1031.62)
  Bottom Layer w4: v3(924.57,1031.62) 936.79,1031.62 942.75,1037.58 1085.13,1037.58 1208.7,914.01 1414.05,914.01 1432.66,932.61 1432.66,1475.75 1401.73,1506.68 986.9,1506.68 J4.8@925.58,1568
GPIOR_16_CTRL7_CBUS_1: J4.3 R23.1 | length 51.4
  Bottom Layer w6: J4.3@925.58,1468 926.84,1466.74 926.84,1418.91 R23.1@928.1,1417.65
GPIOR_17_CTRL6__CBUS2: J4.5 R25.1 | length 51.5
  Bottom Layer w6: R25.1@1122.8,1417.65 1124.19,1419.04 1124.19,1466.61 J4.5@1125.58,1468
GPIOR_17_CTRL6_CBUS2: J4.10 U1.D8 | length 1712.4
  Top Layer w3: U1.D8@860.75,1044.63 870.25,1054.13 961.08,1054.13
  Top Layer w4: 961.14,1054.07 966.63,1054.07 v3(1061.17,959.53)
  Bottom Layer w4: v3(1061.17,959.53) 1070.03,959.53 1209.34,820.22 1424.97,820.22 1459.6,854.85 1459.6,1484.78 1405.87,1538.51 1155.07,1538.51 J4.10@1125.58,1568
GPIOR_18_CLK7: J3.23 U1.D9 | length 898.4
  Top Layer w3: U1.D9@880.44,1044.63 881.76,1044.63 884.61,1047.48 942.51,1047.48 959.5,1030.5
  Top Layer w4: 959.5,1030.5 959.67,1030.5 1210.83,779.34 1210.83,437.73 J3.23@1291.57,356.99
GPIOR_19_CLK6: J3.26 U1.E8 | length 1065.5
  Top Layer w3: U1.E8@860.75,1024.95 871,1014.7 884.36,1014.7 886.71,1012.34 914.62,1012.34 915.93,1011.03 946.2,1011.03 946.7,1010.53
  Top Layer w4: 946.7,1010.53 947.24,1010.53 1191.51,766.26 1191.51,392.16 1273.46,310.21 1340.13,310.21 J3.26@1390.31,260.03
GPIOR_20_CLK5: J3.25 U1.F8 | length 965
  Top Layer w3: 870.19,995.83 915.54,995.83
  Top Layer w4: U1.F8@860.75,1005.26 870.19,995.83 ; 915.54,995.83 1176.58,734.78 1176.58,347.64 1258.84,265.38 1284.96,265.38 J3.25@1290.31,260.03
GPIOR_21_CLK4_CBSEL1: J3.13 U1.E7 | length 517.6
  Top Layer w3: U1.E7@841.07,1024.95 841.9,1024.95 v3(843.56,1023.29)
  Bottom Layer w4: v3(843.56,1023.29) 843.64,1023.37 868.6,1023.37 880.49,1011.47 1057.4,1011.47 1208.84,860.03 J3.13@1290.31,860.03
GPIOR_22_CTRL5: J3.15 U1.F7 | length 548.3
  Top Layer w4: U1.F7@841.07,1005.02 v3(842.51,1003.57)
  Bottom Layer w4: v3@844.26,1002.07 947.24,1002.07 1189.28,760.03 J3.15@1290.31,760.03
GPIOR_23_CTRL4: J3.11 U1.E6 | length 512.9
  Bottom Layer w4: v3(820.52,1025.12) 837.97,1042.57 918.68,1042.57 920.69,1044.58 1106.63,1044.58 1191.18,960.03 J3.11@1290.31,960.03
GPIOR_24: J3.18 U1.F6 | length 711.9
  Bottom Layer w4: v3(821.38,1005.26) 834.98,991.66 911,991.66 1192.35,710.31 1340.03,710.31 J3.18@1390.31,660.03
GPIOR_25: J2.18 U1.F5 | length 778.8
  Top Layer w4: J2.18@190.31,660.03 428.19,897.9 v1(669.16,897.9)
  Bottom Layer w4: v1(669.16,897.9) 716.38,897.9 744.99,926.52 744.99,968.24 767.84,991.09 787.52,991.09 v3(801.7,1005.26)
GPIOR_26_CBSEL0: J3.28 U1.G9 | length 1091.9
  Top Layer w3: U1.G9@880.44,985.58 U1.G9@880.82,985.2
  Top Layer w4: U1.G9@880.82,985.2 905.29,985.2 1156.06,734.42 1157.21,733.28 1157.23,731.65 1163.11,313.46 1164.26,312.31 1266.36,210.21 1340.13,210.21 J3.28@1390.31,160.03
GPIOR_27: J2.28 U1.H9 | length 1789.6
  Top Layer w4: U1.H9@880.44,965.89 880.73,965.89 1122.33,724.29 1122.33,282.9 v2(1108.07,268.65)
  Bottom Layer w4: J2.28@190.31,160.03 249.14,160.03 277.26,131.91 453.66,131.91 480.96,159.21 827.71,159.21 937.14,268.65 v2(1108.07,268.65)
GPIOR_28: J2.27 U1.J9 | length 1831.3
  Top Layer w4: U1.J9@880.44,946.21 880.44,945.44 1106.64,719.24 1106.64,338.99 v2(1074.06,306.41)
  Bottom Layer w4: J2.27@90.31,160.03 141.59,211.31 237.96,211.31 286.18,163.09 426.35,163.09 448.67,185.41 812.04,185.41 933.04,306.41 v2(1074.06,306.41)
GPIOR_30: J2.26 U1.J8 | length 1132.9
  Top Layer w4: J2.26@190.31,260.03 202.23,260.03 308.98,366.78 308.98,499.23 581.36,771.61 839.96,771.61 873.46,805.11 873.46,933.5 U1.J8@860.75,946.21
GPIOR_31: J3.27 U1.G8 | length 1020.3
  Top Layer w3: 868.02,984.64 877.34,975.33 882.08,975.33 882.58,975.83
  Top Layer w4: U1.G8@860.75,985.58 861.68,984.64 868.02,984.64 ; 882.58,975.83 890.75,975.83 1145.55,721.04 1145.55,297.02 1282.54,160.03 J3.27@1290.31,160.03